# KiCad board RKD07_Assemble_BUILD.kicad_pcb (continued)
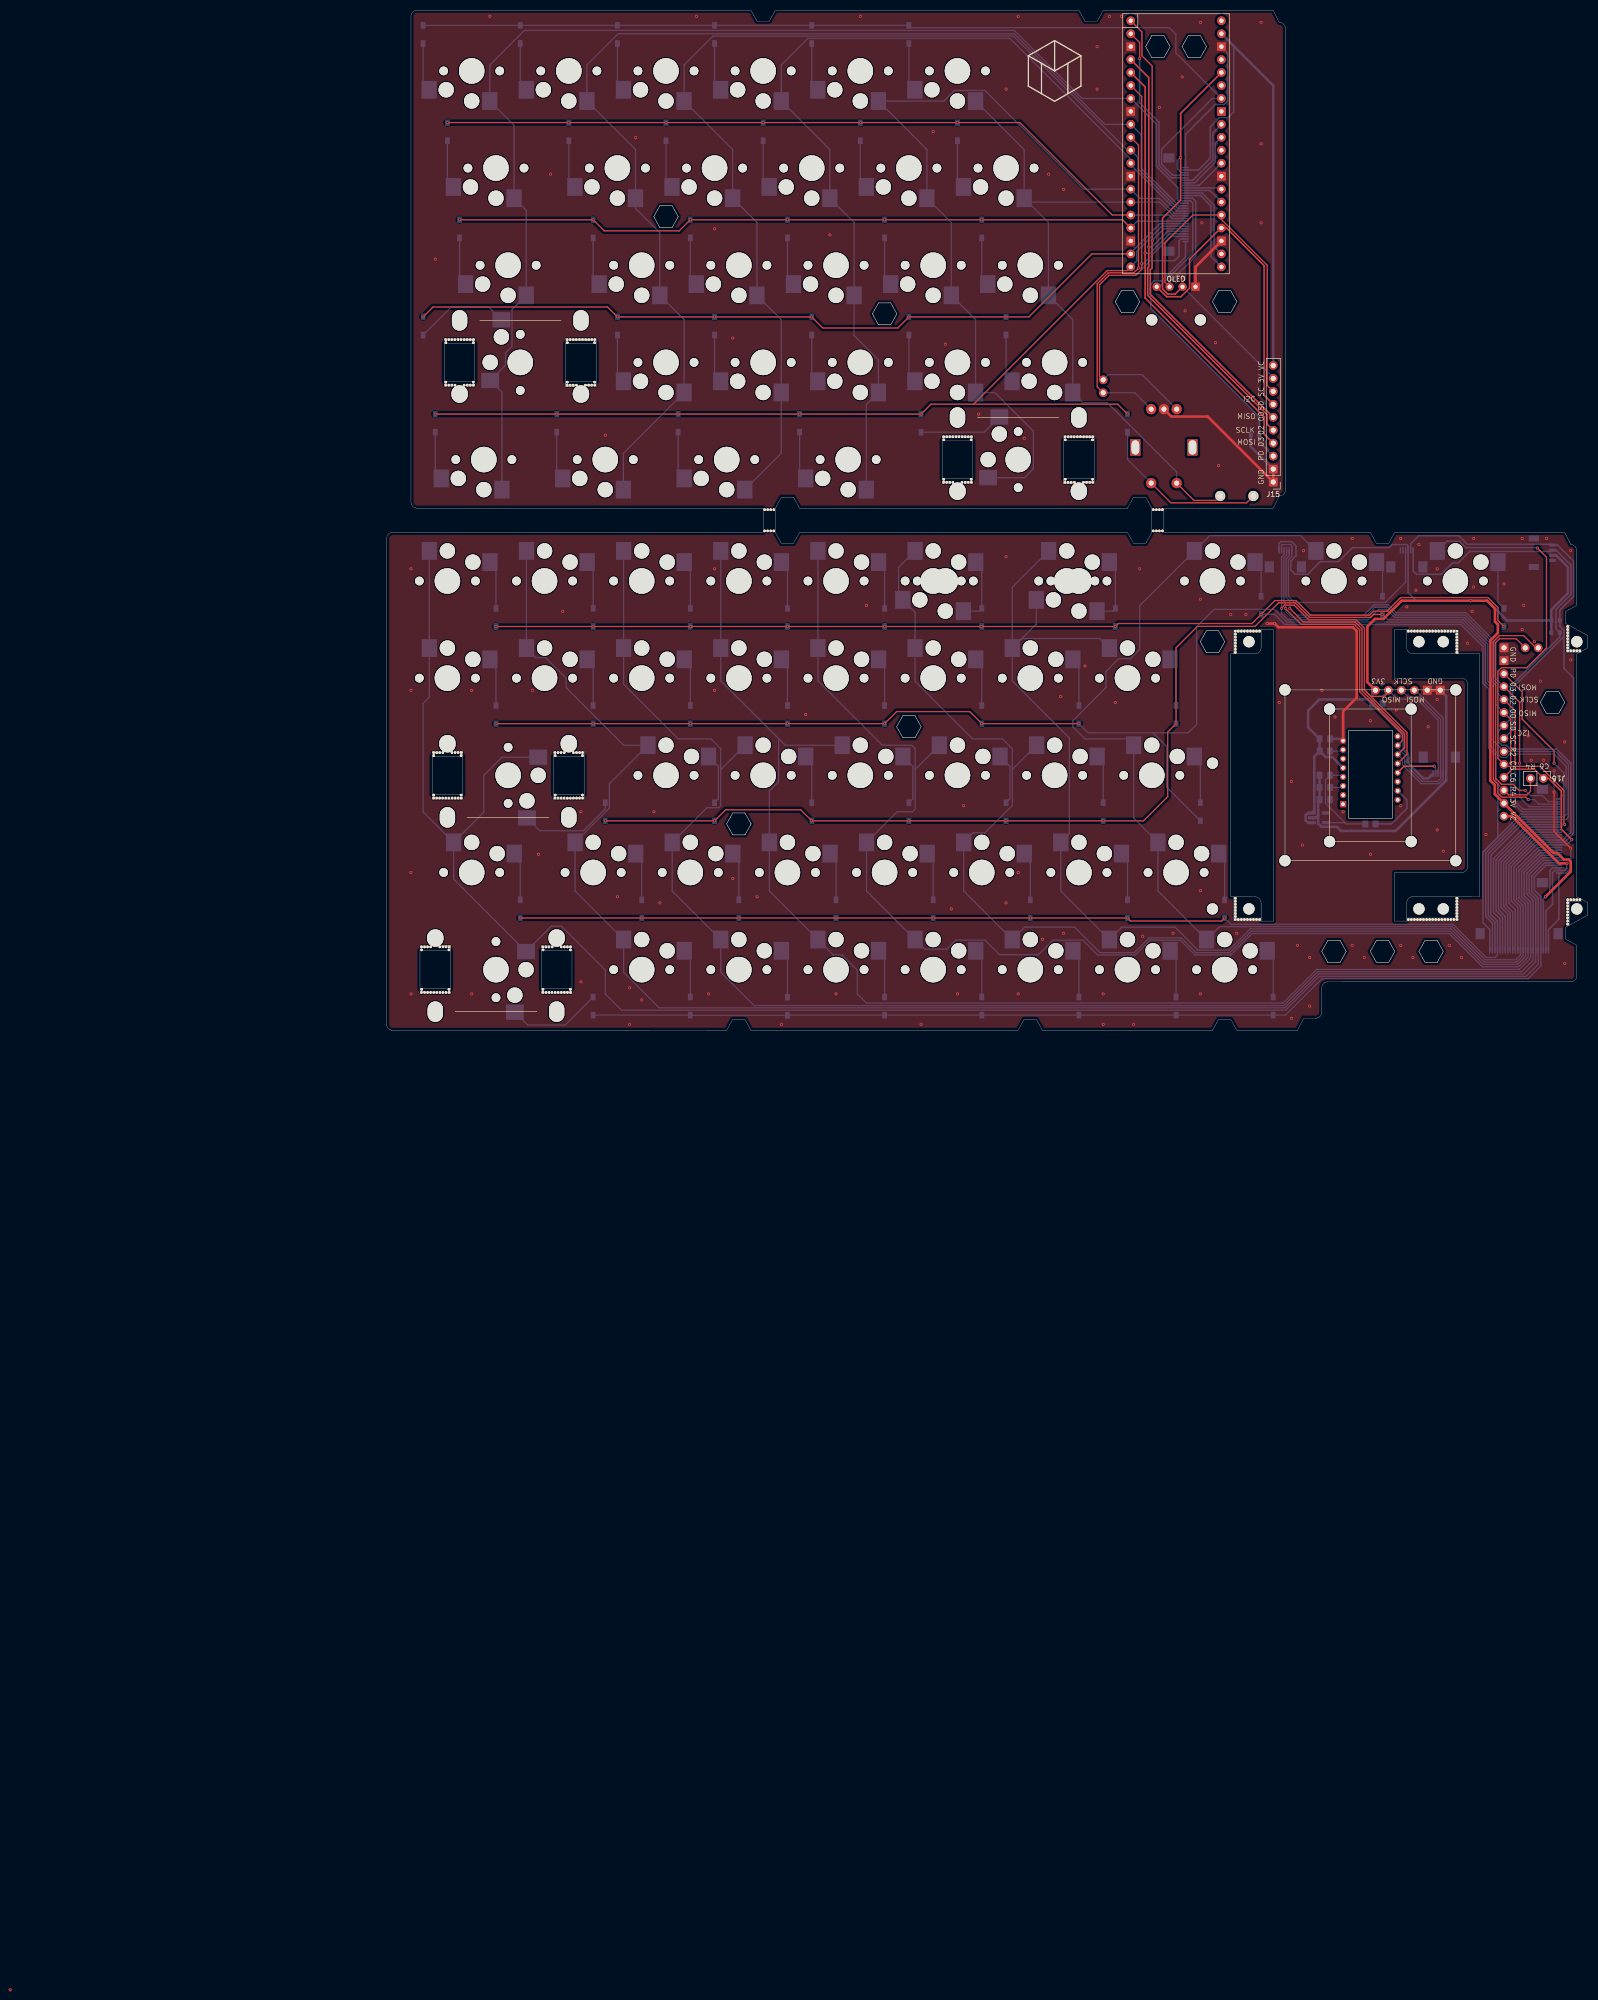
[diagram p0: board, top side]
## Footprints (pads in the part's own frame, mm; a bottom-side part is the same pattern mirrored in y, then rotated)
C_0805_2012Metric_Pad1.18x1.45mm_HandSolder
  rrect 1.175x1.45 smd: 1(-1.038,0) 2(1.038,0)
Diode_SMD
  rect 1.3x0.95 smd far side: 1(-1.775,0) 2(1.775,0)
Hirose_FH12-6S-0.5SH_1x06-1MP_P0.50mm_Horizontal
  rect 0.3x1.3 smd: 1(-1.25,1.85) 2(-0.75,1.85) 3(-0.25,1.85) 4(0.25,1.85) 5(0.75,1.85) 6(1.25,1.85)
  rect 1.8x2.2 smd: MP(-3.15,-1.4) MP(3.15,-1.4)
Hirose_FH12-24S-0.5SH_1x24-1MP_P0.50mm_Horizontal
  rect 0.3x1.3 smd: 1(-5.75,1.85) 2(-5.25,1.85) 3(-4.75,1.85) 4(-4.25,1.85) 5(-3.75,1.85) 6(-3.25,1.85) 7(-2.75,1.85) 8(-2.25,1.85) 9(-1.75,1.85) 10(-1.25,1.85) 11(-0.75,1.85) 12(-0.25,1.85) 13(0.25,1.85) 14(0.75,1.85) 15(1.25,1.85) 16(1.75,1.85) 17(2.25,1.85) 18(2.75,1.85) 19(3.25,1.85) 20(3.75,1.85) 21(4.25,1.85) 22(4.75,1.85) 23(5.25,1.85) 24(5.75,1.85)
  rect 1.8x2.2 smd: MP(-7.65,-1.4) MP(7.65,-1.4)
Hirose_FH12-30S-0.5SH_1x30-1MP_P0.50mm_Horizontal
  rect 0.3x1.3 smd: 1(-7.25,1.85) 2(-6.75,1.85) 3(-6.25,1.85) 4(-5.75,1.85) 5(-5.25,1.85) 6(-4.75,1.85) 7(-4.25,1.85) 8(-3.75,1.85) 9(-3.25,1.85) 10(-2.75,1.85) 11(-2.25,1.85) 12(-1.75,1.85) 13(-1.25,1.85) 14(-0.75,1.85) 15(-0.25,1.85) 16(0.25,1.85) 17(0.75,1.85) 18(1.25,1.85) 19(1.75,1.85) 20(2.25,1.85) 21(2.75,1.85) 22(3.25,1.85) 23(3.75,1.85) 24(4.25,1.85) 25(4.75,1.85) 26(5.25,1.85) 27(5.75,1.85) 28(6.25,1.85) 29(6.75,1.85) 30(7.25,1.85)
  rect 1.8x2.2 smd: MP(-9.15,-1.4) MP(9.15,-1.4)
JST_SMD_1.0mm-4_Black
  rect 0.6x1.35 smd: 1(-1.5,0) 2(-0.5,0) 3(0.5,0) 4(1.5,0)
  rect 1.2x2 smd: NC1(2.8,-3.675) NC2(-2.8,-3.675)
m2_Screw_Hole
  round 2.2 hole 2.2 unplated: (0,0)
OLED_center_display
  round 1.62 hole 0.82: 1(-3.81,-18.5) 2(-1.27,-18.5) 3(1.27,-18.5)
  rect 1.62x1.62 hole 0.82: 4(3.81,-18.5)
PinHeader_1x02_P2.54mm_Horizontal
  round 1.7 hole 1: 1(0,0) 2(0,-2.54)
PinHeader_1x02_P2.54mm_Vertical
  round 1.7 hole 1: 1(0,0) 2(0,-2.54)
PinHeader_1x10_P2.54mm_Vertical
  rect 1.7x1.7 hole 1: 1(0,0) 2(0,-2.54)
  round 1.7 hole 1: 3(0,-5.08) 4(0,-7.62) 5(0,-10.16) 6(0,-12.7) 7(0,-15.24) 8(0,-17.78) 9(0,-20.32) 10(0,-22.86)
PinHeader_1x14_P2.54mm_Vertical
  rect 1.7x1.7 hole 1: 1(0,0) 2(0,-2.54)
  round 1.7 hole 1: 3(0,-5.08) 4(0,-7.62) 5(0,-10.16) 6(0,-12.7) 7(0,-15.24) 8(0,-17.78) 9(0,-20.32) 10(0,-22.86) 11(0,-25.4) 12(0,-27.94) 13(0,-30.48) 14(0,-33.02)
PinSocket_1x06_P2.54mm_Vertical
  round 1.7 hole 1: 1(0,0) 2(0,-2.54) 3(0,-5.08) 4(0,-7.62)
  rect 1.7x1.7 hole 1: 5(0,-10.16) 6(0,-12.7)
PMW3360DM-T2QU
  rect 1.2x1.2 hole 0.7: 1(5.66,5.35)
  round 1.2 hole 0.7: 2(3.88,5.35) 3(2.1,5.35) 4(0.32,5.35) 5(-1.46,5.35) 6(-3.24,5.35) 7(-5.02,5.35) 8(-6.8,5.35) 9(-7.65,-5.35) 10(-5.87,-5.35) 11(-4.09,-5.35) 12(-2.31,-5.35) 13(-0.53,-5.35) 14(1.25,-5.35) 15(3.03,-5.35) 16(4.81,-5.35)
R_0603_1608Metric
  rrect 0.8x0.95 smd: 1(-0.825,0) 2(0.825,0)
R_0805_2012Metric_Pad1.20x1.40mm_HandSolder
  rrect 1.2x1.4 smd: 1(-1,0) 2(1,0)
ResetSW
  round 2 hole 1.3: 1(3.25,0) 2(-3.25,0)
rkd_Asm_ChocV1V2_Hotswap_1u_NM
  round 1.7 hole 1.7 unplated: (-5.5,0) (5.5,0)
  round 3 hole 3 unplated: (-5,-3.7) (0,-5.9)
  round 5 hole 5 unplated: (0,0)
  rect 3x3.5 smd far side: 1(-8.35,-3.7) 2(3.55,-5.9)
rkd_Asm_ChocV1V2_Hotswap_1u_twei0.25_A_NM
  round 1.7 hole 1.7 unplated: (-7.881,0) (-5.5,0) (3.119,0) (5.5,0)
  round 3 hole 3 unplated: (-5,-3.7) (-2.381,5.9) (0,-5.9) (2.619,3.7)
  round 5 hole 5 unplated: (-2.381,0) (0,0)
  rect 3x3.5 smd far side: 1(-8.35,-3.7) 1(-5.931,5.9) 2(3.55,-5.9) 2(5.969,3.7)
rkd_Asm_ChocV2_PCBMountStab_2u
  round 0.5 hole 0.5 unplated: (-14.603,4.452) (-14.602,-4.452) (-14.585,3.87) (-14.585,-3.87) (-14.007,4.452) (-14.007,-4.452) (-13.412,4.452) (-13.411,-4.452) (-12.816,-4.452) (-12.799,4.465) (-12.204,-4.465) (-11.609,-4.465) (-11.014,4.466) (-10.984,-4.453) (-10.389,4.464) (-10.389,-4.453) (-9.793,4.464) (-9.793,-4.453) (-9.227,3.87) (-9.227,-3.87) (-9.198,4.464) (-9.198,-4.453) (9.197,4.452) (9.197,-4.453) (9.227,3.87) (9.227,-3.87) (9.793,4.452) (9.793,-4.453) (10.388,4.452) (10.388,-4.453) (10.983,-4.453) (11.013,4.465) (11.609,-4.465) (12.204,-4.465) (12.799,4.465) (12.816,-4.453) (13.411,4.452) (13.411,-4.453) (14.007,4.452) (14.007,-4.453) (14.585,3.87) (14.585,-3.87) (14.602,4.452) (14.602,-4.453)
  oval 3.2x3.4 hole 3.2x3.4 unplated: (-11.9,6.2) (11.9,6.2)
  oval 3x4 hole 3x4 unplated: (-11.9,-8.24) (11.9,-8.24)
rkd_cutdot
  round 0.5 hole 0.5 unplated: (-0.893,0) (-0.298,0) (0.297,0) (0.893,0)
rkd_cutdot_no_edgecut
  round 0.5 hole 0.5 unplated: (-0.893,0) (-0.298,0) (0.297,0) (0.893,0)
rkd_cutdot_no_edgecut_1_2
  round 0.5 hole 0.5 unplated: (0,0)
rkd_Guard_Screw_Hall
  round 2.2 hole 2.2 unplated: (29.766,4.763) (29.766,-4.763)
rkd_picot5400_BTM
  round 2.2 hole 2.2 unplated: (-16.75,16.75) (-16.75,-16.75) (16.75,16.75) (16.75,-16.75)
rkd_RPi_Pico_TH_NODBG
  oval 1.7x1.7 hole 0.85: 1(-8.89,24.13) 2(-8.89,21.59) 4(-8.89,16.51) 5(-8.89,13.97) 6(-8.89,11.43) 7(-8.89,8.89) 9(-8.89,3.81) 10(-8.89,1.27) 11(-8.89,-1.27) 12(-8.89,-3.81) 14(-8.89,-8.89) 15(-8.89,-11.43) 16(-8.89,-13.97) 17(-8.89,-16.51) 19(-8.89,-21.59) 20(-8.89,-24.13) 21(8.89,-24.13) 22(8.89,-21.59) 24(8.89,-16.51) 25(8.89,-13.97) 26(8.89,-11.43) 27(8.89,-8.89) 29(8.89,-3.81) 30(8.89,-1.27) 31(8.89,1.27) 32(8.89,3.81) 34(8.89,8.89) 35(8.89,11.43) 36(8.89,13.97) 37(8.89,16.51) 39(8.89,21.59) 40(8.89,24.13)
  rect 1.7x1.7 hole 0.85: 3(-8.89,19.05) 8(-8.89,6.35) 13(-8.89,-6.35) 18(-8.89,-19.05) 23(8.89,-19.05) 28(8.89,-6.35) 33(8.89,6.35) 38(8.89,19.05)
rkd_sumi_foot
  round 2.2 hole 2.2 unplated: (-13,8) (-13,-8) (13,8) (13,-8)
RotaryEncoder_EC11-Switch
  round 2 hole 1: A(-2.5,-7.5) B(2.5,-7.5) C(0,-7.5) S1(-2.5,7) S2(2.5,7)
  rect 2x3.2 hole 1.5x2.8: MP(-5.6,0) MP(5.6,0)
SOT-23-5_HandSoldering
  rrect 1.56x0.65 smd: 1(-1.35,0.95) 2(-1.35,0) 3(-1.35,-0.95) 4(1.35,-0.95) 5(1.35,0.95)

## Nets
3v3_L: J2.28 J15.9 OL2.3 U1.36
3v3_R: C1.1 J3.3 J4.22 J6.2 J7.1 J8.6 J9.1 J11.13 J12.3 R1.2 R3.1 R4.1 R5.1 U2.1 U2.3 U3.5
+1V9: C2.1 R2.1 U2.5 U3.4
GND_L: J2.30 J15.1 J15.2 OL2.4 R7.2 SW30.C U1.3 U1.8 U1.13 U1.18 U1.23 U1.28 U1.38
GND_R: C1.2 C2.2 C3.2 C4.2 J3.1 J4.24 J6.1 J7.6 J8.1 J8.5 J9.5 J9.6 J11.1 J11.2 J12.4 U2.2 U3.8
VCC_L: J2.29 J15.10 U1.39
VCC_R: J3.2 J4.23 J11.14
COL0_L: J2.16 SW1.2 SW2.2 SW3.2 SW4.2 SW5.2 U1.7
COL0_R: J3.15 J4.10
COL1_L: J2.15 SW6.2 SW7.2 SW8.2 SW9.2 SW10.2 U1.9
COL1_R: J3.16 J4.9
COL2_L: J2.14 SW11.2 SW12.2 SW13.2 SW14.2 SW15.2 U1.11
COL2_R: J3.17 J4.8
COL3_L: J2.13 SW16.2 SW17.2 SW18.2 SW19.2 SW20.2 U1.12
COL3_R: J3.18 J4.7
COL4_L: J2.12 SW21.2 SW22.2 SW23.2 SW24.2 SW25.2 U1.14
COL4_R: J3.19 J4.6
COL5_L: J2.11 SW26.2 SW27.2 SW28.2 SW29.2 SW30.S1 SW31.1 U1.15
COL5_R: J3.20 J4.5 J11.10 SW41.2
COL6_L: J2.19 U1.21
COL6_R: J3.12 J4.13 J11.11 J16.1 SW51.2 SW52.2 SW53.2 SW54.2 SW55.2
COL7_L: J2.20 U1.22
COL7_R: J3.11 J4.14 SW56.2 SW57.2 SW58.2 SW59.2 SW60.2
COL8_L: J2.21 U1.26
COL8_R: J3.10 J4.15 SW61.2 SW62.2 SW63.2 SW64.2 SW65.2
COL9_L: J2.22 U1.27
COL9_R: J3.9 J4.16 SW66.2 SW67.2 SW68.2 SW69.2 SW70.2
COL10_L: J2.23 U1.29
COL10_R: J3.8 J4.17 SW71.2 SW72.2 SW73.2 SW74.2 SW75.2
COL11_L: J2.24 U1.31
COL11_R: J3.7 J4.18 SW76.2 SW77.2 SW78.2 SW79.2 SW80.2
COL12_L: J2.25 U1.32
COL12_R: J3.6 J4.19 SW81.2 SW82.2 SW83.2 SW84.2 SW85.2
COL13_L: J2.26 U1.2
COL13_R: J3.5 J4.20 SW86.2 SW87.2 SW88.2 SW89.2 SW90.2
GP00_L: J2.6 J15.6 U1.1
GP00_R: J3.25 J7.3 J8.4 J9.2 J11.6 R3.2 U3.12
GP02_L: J2.5 J15.5 U1.4
GP02_R: J3.26 J7.4 J8.3 J9.3 J11.5 U3.10
GP03_L: J2.4 J15.4 U1.5
GP03_R: J3.27 J7.5 J8.2 J9.4 J11.4 U3.11
NCS: J7.2 U3.13
PD_L: J2.1 J15.3 R7.1
PD_R: J3.30 J11.3
RE_A_L: J1.2 J2.3 SW30.A U1.6
RE_A_R: J3.28 J5.2
RE_B_L: J1.1 J2.2 SW30.B U1.10
RE_B_R: J3.29 J5.1
ROW0_L: D1.1 D6.1 D11.1 D16.1 D21.1 D26.1 J2.27 U1.34
ROW0_R: D51.1 D56.1 D61.1 D66.1 D71.1 D76.1 D81.1 D86.1 J3.4 J4.21
ROW1_L: D2.1 D7.1 D12.1 D17.1 D22.1 D27.1 J2.10 U1.16
ROW1_R: D52.1 D57.1 D62.1 D67.1 D72.1 D77.1 D82.1 D87.1 J3.21 J4.4
ROW2_L: D3.1 D8.1 D13.1 D18.1 D23.1 D28.1 J2.9 U1.17
ROW2_R: D53.1 D58.1 D63.1 D68.1 D73.1 D78.1 D83.1 D88.1 J3.22 J4.3 J11.9
ROW3_L: D4.1 D9.1 D14.1 D19.1 D24.1 D29.1 J2.8 U1.19
ROW3_R: D54.1 D59.1 D64.1 D69.1 D74.1 D79.1 D84.1 D89.1 J3.23 J4.2
ROW4_L: D5.1 D10.1 D15.1 D20.1 D25.1 D30.1 J2.7 U1.20
ROW4_R: D41.1 D55.1 D60.1 D65.1 D70.1 D75.1 D80.1 D85.1 D90.1 J3.24 J4.1 J11.12 J16.2
SCL/TX_L: J2.18 J15.8 OL2.2 U1.25
SCL/TX_R: J3.13 J4.12 J6.4 J11.8 J12.2 R5.2
SDA/SCK_L: J2.17 J15.7 OL2.1 U1.24
SDA/SCK_R: J3.14 J4.11 J6.3 J11.7 J12.1 R4.2
Net-(D1-A): D1.2 SW1.1
Net-(D2-A): D2.2 SW2.1
Net-(D3-A): D3.2 SW3.1
Net-(D4-A): D4.2 SW4.1
Net-(D5-A): D5.2 SW5.1
Net-(D6-A): D6.2 SW6.1
Net-(D7-A): D7.2 SW7.1
Net-(D8-A): D8.2 SW8.1
Net-(D9-A): D9.2 SW9.1
Net-(D10-A): D10.2 SW10.1
Net-(D11-A): D11.2 SW11.1
Net-(D12-A): D12.2 SW12.1
Net-(D13-A): D13.2 SW13.1
Net-(D14-A): D14.2 SW14.1
Net-(D15-A): D15.2 SW15.1
Net-(D16-A): D16.2 SW16.1
Net-(D17-A): D17.2 SW17.1
Net-(D18-A): D18.2 SW18.1
Net-(D19-A): D19.2 SW19.1
Net-(D20-A): D20.2 SW20.1
Net-(D21-A): D21.2 SW21.1
Net-(D22-A): D22.2 SW22.1
Net-(D23-A): D23.2 SW23.1
Net-(D24-A): D24.2 SW24.1
Net-(D25-A): D25.2 SW25.1
Net-(D26-A): D26.2 SW26.1
Net-(D27-A): D27.2 SW27.1
Net-(D28-A): D28.2 SW28.1
Net-(D29-A): D29.2 SW29.1
Net-(D30-A): D30.2 SW30.S2 SW31.2
Net-(D41-A): D41.2 SW41.1
Net-(D51-A): D51.2 SW51.1
Net-(D52-A): D52.2 SW52.1
Net-(D53-A): D53.2 SW53.1
Net-(D54-A): D54.2 SW54.1
Net-(D55-A): D55.2 SW55.1
Net-(D56-A): D56.2 SW56.1
Net-(D57-A): D57.2 SW57.1
Net-(D58-A): D58.2 SW58.1
Net-(D59-A): D59.2 SW59.1
Net-(D60-A): D60.2 SW60.1
Net-(D61-A): D61.2 SW61.1
Net-(D62-A): D62.2 SW62.1
Net-(D63-A): D63.2 SW63.1
Net-(D64-A): D64.2 SW64.1
Net-(D65-A): D65.2 SW65.1
Net-(D66-A): D66.2 SW66.1
Net-(D67-A): D67.2 SW67.1
Net-(D68-A): D68.2 SW68.1
Net-(D69-A): D69.2 SW69.1
Net-(D70-A): D70.2 SW70.1
Net-(D71-A): D71.2 SW71.1
Net-(D72-A): D72.2 SW72.1
Net-(D73-A): D73.2 SW73.1
Net-(D74-A): D74.2 SW74.1
Net-(D75-A): D75.2 SW75.1
Net-(D76-A): D76.2 SW76.1
Net-(D77-A): D77.2 SW77.1
Net-(D78-A): D78.2 SW78.1
Net-(D79-A): D79.2 SW79.1
Net-(D80-A): D80.2 SW80.1
Net-(D81-A): D81.2 SW81.1
Net-(D82-A): D82.2 SW82.1
Net-(D83-A): D83.2 SW83.1
Net-(D84-A): D84.2 SW84.1
Net-(D85-A): D85.2 SW85.1
Net-(D86-A): D86.2 SW86.1
Net-(D87-A): D87.2 SW87.1
Net-(D88-A): D88.2 SW88.1
Net-(D89-A): D89.2 SW89.1
Net-(D90-A): D90.2 SW90.1
Net-(U3-LED_P): R2.2 U3.15
Net-(U3-NRESET): R1.1 U3.7
Net-(U3-VDDPIX): C3.1 C4.1 U3.3

Pads without a net: J2 MP; J3 MP; J4 MP; J6 NC1 NC2; J7 MP; J8 MP; J12 5 6 MP; SW30 MP; U1 30 33 35 37 40; U2 4; U3 1 2 6 9 14 16

## Via types
v1: diameter 0.6, hole 0.3, Top to Bottom, 219 vias

## Routing (per net, layer and track width the routed paths; a pad name or vN(x,y) marks a point on that pad's centre or on a via; arc(x,y) is an arc through that point)
3v3_L: length 81.8
  Top w0.3: OL2.3 154.61,144.37 153.12,144.37 152.13,145.36 152.13,159.26 155.67,162.8 v1(155.67,171.16) 155.67,179.81 U1.36
  Bottom w0.25: OL2.3 173.83,128.04 J15.9
  Bottom w0.3: v1(155.67,171.16) 155.08,170.57 155.08,168.93 155.82,168.18 J2.28
3v3_R: length 290.3
  Top w0.5: v1(227.21,26.2) 232.17,31.17 232.17,33.06 232.17,33.06 231.73,33.5 230.83,33.5 229.52,34.81 228.81,34.81 J11.13 217.29,46.32 217.29,48.1 216.41,48.98 216.41,76.46 217.88,77.94 217.88,79.57 217.31,80.15 217.31,82.69 215.76,84.25 v1(212.53,84.25) 198.99,84.25 195.42,80.67 193.77,80.67 192.29,79.19 192.29,68.3 J9.1 ; 193.45,66.71 194.3,66.71
  Bottom w0.25: 194.48,66.71 194.3,66.71 ; J7.1 205.17,50.36
  Bottom w0.3: J4.22 226.8,25.8 v1(227.21,26.2) 228.1,27.09 228.1,31.36 228.6,31.86 J3.3 ; J8.6 174.96,95.5 175.32,95.85 177.4,95.85 178.3,94.96 178.3,93.04 177.29,92.03 177.29,90.25 178.11,89.43 180.58,89.43 183.06,91.91 186.63,91.91 189.38,94.66 196.56,94.66 197.15,95.26 200.03,95.26 200.28,95.01 J12.3 200.28,85.87 201.9,84.25 v1(212.53,84.25)
  Bottom w0.5: U2.1 180.63,40.73 180.18,41.18 180.18,42.18 180.63,42.63 U2.3 181.88,43.1 181.88,53.7 R1.2 ; R5.1 219.67,80.38 215.8,84.25 v1(212.53,84.25) ; R5.1 228.37,82.49 231.61,85.72 231.6,90.86 229.3,93.16 J6.2 ; R5.1 R4.1 ; R5.1 228.29,80.3 ; 193.46,64.01 R3.1 ; R3.1 193.38,64.01 199.43,57.95 199.43,55.03 200.18,54.28 200.18,52.5 203.26,49.42 204.23,49.42 205.05,50.24 ; R3.1 192.37,64.9 182.89,64.9 180.67,62.68 180.67,59.4 C1.1 182.91,54.82 R1.2 ; R3.1 193.26,66.1 J9.1 ; R1.2 184.14,53.59 185.42,53.59 U3.5
+1V9: length 21.8
  Bottom w0.25: U3.4 187.21,50.02 C2.1 184.08,49.1 184.08,44.53 187.88,40.73 ; 187.88,40.73 188.12,40.49 R2.1 ; 187.88,40.73 U2.5
GND_L: length 78
  Top w0.5: SW30.C 153.85,120.36 161,120.36 J15.1 J15.2 ; OL2.4 158.59,149.71 U1.23
  Bottom w0.3: U1.38 164.87,191.69 164.87,182.23 164.17,181.53 162.47,181.53 156.63,175.69 J2.30
  Bottom w0.5: R7.2 169.43,114.46 J15.2
  vias: v1(9.53,151.22) v1(20.24,198.84) v1(32.15,167.89) v1(42.86,116.69) v1(48.82,175.03) v1(60.72,198.84) v1(64.29,157.17) v1(67.87,135.74) v1(86.92,155.98) v1(92.87,198.84) v1(107.16,176.22) v1(109.54,134.55) v1(116.09,120.86) v1(121.44,184.56) v1(123.83,198.84) v1(125.02,116.1) v1(129.78,167.89) v1(132.75,164.91) v1(139.3,192.89) v1(139.3,184.56) v1(141.68,198.84) v1(144.07,198.84) v1(151.51,180.98) v1(155.97,186.94) v1(155.97,147.65) v1(156.57,141.1) v1(159.54,197.65) v1(159.84,158.36) v1(162.52,134.85) v1(163.12,110.74) v1(171.45,197.65) v1(171.45,173.84) v1(171.45,158.36)
GND_R: length 191.1
  Top w0.25: v1(232.17,35.73) 228.9,39 v1(228.9,46.74)
  Top w0.5: v1(172.64,79.78) v1(174.13,79.78) 174.87,79.04 189.46,79.04 190.21,78.29 190.21,65.25 187.53,62.57 U3.8 ; J9.6 J9.5
  Bottom w0.25: J3.1 231.2,30.86 232.17,31.83 v1(232.17,35.73) ; 175.44,94.11 J8.5 175.46,95.1 175.62,95.26 177.29,95.26 177.46,95.08 J8.1 177.46,92.88 176.82,92.23 176.82,85.13 178.04,83.91 195.82,83.91 199.78,87.86 J12.4 ; v1(228.9,50.91) v1(228.9,46.74)
  Bottom w0.3: J4.24 227.8,19.77 229.85,21.83 J3.1
  Bottom w0.5: U3.8 187.19,57.16 C1.2 185.33,56.82 ; 182.64,42.13 182.64,40.55 183.28,39.91 186.31,39.91 187.11,39.11 197.83,39.11 207.75,49.03 ; 182.64,42.13 182.64,44.98 C4.2 C3.2 C2.2 ; 182.64,42.13 182.19,41.68 U2.2 ; 207.75,49.03 207.75,65.53 J9.6 ; 207.75,49.03 206.51,47.8
  vias: v1(4.76,90.5) v1(4.76,66.68) v1(4.76,30.97) v1(4.76,7.15) v1(16.67,66.68) v1(16.67,7.15) v1(28.58,66.68) v1(29.77,34.54) v1(34.53,82.16) v1(38.1,42.87) v1(38.1,9.53) v1(45.24,26.2) v1(47.63,8.34) v1(47.63,1.2) v1(50.01,5.96) v1(52.39,42.87) v1(53.58,25.01) v1(63.1,7.15) v1(64.29,90.5) v1(64.29,66.68) v1(67.87,29.77) v1(72.63,26.2) v1(77.39,1.2) v1(82.15,61.92) v1(88.11,7.15) v1(94.06,83.35) v1(104.78,1.2) v1(110.73,23.82) v1(111.92,7.15) v1(113.11,44.06) v1(121.44,92.88) v1(121.44,25.01) v1(123.83,30.97) v1(123.83,7.15) v1(128.59,17.87) v1(132.16,65.49) v1(132.75,19.06) v1(136.92,71.45) v1(140.49,7.15) v1(140.49,1.2) v1(142.88,64.3) v1(146.45,1.2) v1(147.64,90.5) v1(148.23,18.46) v1(154.19,19.06) v1(159.54,84.54) v1(159.54,27.39) v1(159.54,7.15) v1(165.5,81.57) v1(166.69,19.06) v1(168.47,81.57) v1(175.02,64.3) v1(177.4,48.82) v1(177.4,2.39) v1(178.59,16.68) v1(179.55,36.32) v1(179.78,94.07) v1(180.98,14.3) v1(180.98,4.77) v1(183.36,66.68) v1(185.95,61.47) v1(187.52,42.87) v1(189.31,96.45) v1(189.31,16.68) v1(191.69,14.3) v1(192.88,60.73) v1(192.88,34.54) v1(197.94,62.81) v1(198.83,96.45) v1(198.83,44.06) v1(198.83,16.68) v1(200.02,83.06) v1(201.22,14.3) v1(201.81,86.33) v1(202.41,95.26) v1(204.19,59.54) v1(205.98,90.5) v1(205.98,64.9) v1(205.98,39.3) v1(207.17,35.13) v1(208.36,16.68) v1(210.74,14.3) v1(211.93,75.91) v1(212.82,82.16) v1(213.12,96.45) v1(213.12,86.92) v1(215.55,38.41) v1(219.08,87.52) v1(222.65,96.45) v1(222.65,78.59) v1(222.94,83.35) v1(223.84,57.75) v1(224.43,52.99) v1(225.03,76.21) v1(226.22,68.47) v1(226.81,52.99) v1(227.41,96.45) v1(230.98,56.56) v1(230.98,13.11) v1(232.17,94.07) v1(232.17,72.64)
VCC_L: length 103.4
  Bottom w0.3: J2.29 159.15,168.68 161.47,171 161.47,177.15 163.31,178.99 164.98,178.99 166.09,180.09 166.09,193.02 U1.39
  Bottom w0.5: J15.10 173.83,185.27 U1.39
VCC_R: length 36.1
  Top w0.5: v1(231.42,32.75) 230.09,32.75 229.87,32.75 220.62,42 J11.14
  Bottom w0.3: v1(231.42,32.75) 231.42,31.75 231.03,31.36 J3.2 228.99,31.36 228.6,30.97 228.6,24.72 227.3,23.42 J4.23
(no net):
  vias: v1(-73.82,-188.11)
COL0_L: length 249.6
  Bottom w0.25: U1.7 136.37,182.73 123.03,196.07 26.99,196.07 20.22,189.29 SW1.2 24.98,177.47 SW2.2 27.36,160.8 SW3.2 24.57,141.34 24.57,134.12 23.32,132.86 23.32,130.45 SW4.2 22.6,125.12 SW5.2
  Bottom w0.3: U1.7 150.93,177.69 150.93,169.42 155.08,165.27 155.08,162.83 155.72,162.18 J2.16
COL0_R: length 30
  Bottom w0.3: J3.15 224.74,37.86 219.52,32.64 219.52,24.51 220.8,23.23 J4.10
COL1_L: length 234.3
  Bottom w0.25: SW10.2 46.41,113.17 SW9.2 58.32,139.37 SW8.2 53.56,156.42 48.79,161.18 SW7.2 48.79,172.7 SW6.2 39.27,189.3 45.39,195.42 123.04,195.42 140.81,177.65 U1.9 146.28,178.04
  Bottom w0.3: J2.15 155.33,161.68 147.94,169.08 147.94,175.61 U1.9
COL1_R: length 30.8
  Bottom w0.3: J4.9 220.3,23.02 219.02,24.3 219.02,32.85 224.53,38.36 J3.16
COL2_L: length 210.7
  Bottom w0.25: 145.89,173.21 U1.11 145.25,172.57 122.86,194.97 63.99,194.97 58.32,189.3 SW11.2 67.84,172.7 SW12.2 72.61,158.42 SW13.2 77.37,139.37 SW14.2 77.37,113.17 SW15.2
  Bottom w0.3: J2.14 155.12,161.18 147.34,168.96 147.34,171.12 U1.11
COL2_R: length 31.6
  Bottom w0.3: J3.17 224.32,38.86 218.51,33.06 218.51,24.08 219.8,22.8 J4.8
COL3_L: length 188.9
  Bottom w0.25: 145.89,170.67 U1.12 145.89,170.82 122.2,194.51 82.58,194.51 77.37,189.3 SW16.2 86.89,172.7 SW17.2 91.66,158.42 SW18.2 91.66,136.26 96.42,131.5 SW19.2 94.04,122.7 SW20.2
  Bottom w0.3: U1.12 145.89,169.7 154.91,160.68 J2.13
COL3_R: length 32.4
  Bottom w0.3: J3.18 224.11,39.36 218.01,33.26 218.01,23.7 219.3,22.4 J4.7
COL4_L: length 168.4
  Bottom w0.25: U1.14 136.65,164.95 117.29,184.3 111.34,184.3 109.27,182.23 SW21.2 105.94,172.7 SW22.2 110.71,158.42 SW23.2 115.47,139.37 SW24.2 119.23,125.08 126.8,117.5 126.8,110.14 125.04,108.38 SW25.2 118.54,107.76
  Bottom w0.3: J2.12 154.45,160.18 151.51,163.13 147.72,163.13 U1.14
COL4_R: length 33.3
  Bottom w0.3: J4.6 218.8,22.2 217.51,23.49 217.51,33.47 223.9,39.86 J3.19
COL5_L: length 137.6
  Top w0.25: SW31.1 162.56,103.91 158.3,103.91 SW30.S1
  Bottom w0.25: SW27.2 129.76,158.42 SW28.2 134.52,139.37 SW29.2 136.52,123.08 141.28,123.08 154.9,109.46 SW30.S1 155.04,107.17 ; SW27.2 124.99,172.7 SW26.2 ; SW27.2 125.76,162.41 U1.15 151.55,162.41 154.25,159.71 156.61,159.71 J2.11
COL5_R: length 128
  Top w0.25: v1(225.62,94.57) 227.41,92.78 227.41,74.98 223.54,71.11 218.59,71.11 217.88,70.41 217.88,53.35 J11.10 ; v1(230.98,40.36) 230.83,40.51 230.83,47.07 226.13,51.77 219.46,51.77 J11.10 ; J11.10 219.08,51.5
  Bottom w0.25: v1(230.98,40.36) J3.20
  Bottom w0.3: J3.20 223.68,40.36 217.01,33.69 217.01,23.15 218.3,21.86 J4.5 ; SW41.2 207.9,95.92 210.34,95.92 211.59,94.66 225.53,94.66 v1(225.62,94.57)
COL6_L: length 18.6
  Bottom w0.3: J2.19 159.58,163.68 161.63,161.64 161.63,151.75 U1.21
COL6_R: length 250.5
  Top w0.25: J16.1 225.03,51.21 220.66,51.21 J11.11
  Top w0.3: J16.1 227.8,49.42 230.33,46.89 230.33,40.63 230.33,39.44 v1(232.38,37.4)
  Bottom w0.25: SW53.2 179.19,97.01 161.37,97.01 SW55.2 147.64,83.28 147.64,74.69 145.83,72.89 143.53,72.89 141.03,70.39 141.03,67.22 134.54,60.73 134.54,59.54 136.92,57.16 145.23,57.16 SW54.2 146.47,41.63 SW52.2 151.23,27.34 SW51.2 160.78,17.82 163.31,20.35 208.9,20.35 215.4,13.85 221.38,13.85 222.3,14.77 J4.13
  Bottom w0.3: v1(232.38,37.4) 231.34,36.36 J3.12 225.36,36.36 221.02,32.02 221.02,25.59 222.3,24.31 J4.13
COL7_L: length 16.7
  Bottom w0.3: J2.20 159.86,164.18 162.22,161.82 162.22,153.7 U1.22
COL7_R: length 237
  Bottom w0.25: SW59.2 122.66,86.87 SW60.2 ; SW59.2 122.66,68.55 133.84,57.36 133.84,38.53 SW57.2 132.18,27.34 SW56.2 144.14,20.25 154.58,20.25 158.93,15.9 158.93,15.74 165.15,15.74 169.31,19.9 208.71,19.9 215.21,13.4 221.56,13.4 222.8,14.63 J4.14 ; SW59.2 127.38,79.69 SW60.2 ; SW59.2 124.53,76.84 139.83,76.84 SW58.2
  Bottom w0.3: J3.11 225.75,35.86 221.52,31.63 221.52,25.8 222.8,24.52 J4.14
COL8_L: length 8
  Bottom w0.3: J2.21 161.4,164.68 U1.26
COL8_R: length 244.4
  Bottom w0.25: J4.15 223.3,14.49 221.75,12.94 215.03,12.94 208.53,19.45 169.51,19.45 165.31,15.24 158.69,15.24 155.79,18.14 149.49,18.14 146.59,15.24 139.9,15.24 134.89,20.25 125.09,20.25 SW61.2 113.13,27.34 SW62.2 115.01,38.74 117.31,38.74 122.67,44.1 122.67,51.17 ; 122.67,51.17 122.67,55.21 120.73,57.16 114.9,57.16 103.61,68.45 SW64.2 103.61,82 SW65.2 100.87,84.42 100.38,84.9 100.38,90.79 SW65.2 ; 122.67,51.17 SW63.2
  Bottom w0.3: J4.15 223.3,24.73 222.02,26.01 222.02,31.39 225.99,35.36 J3.10
COL9_L: length 7.1
  Bottom w0.3: U1.27 163.44,165.18 J2.22
COL9_R: length 262.9
  Bottom w0.25: 103.62,51.17 103.62,43.4 103.09,42.87 100.09,42.87 SW67.2 94.08,27.34 SW66.2 105.48,15.94 109.83,15.94 111.58,17.69 117.33,17.69 120.19,14.84 127.78,14.84 130.63,17.69 136.5,17.69 139.4,14.79 146.78,14.79 149.68,17.69 155.6,17.69 158.5,14.79 165.5,14.79 169.7,19 208.34,19 214.84,12.49 221.94,12.49 223.8,14.36 J4.16 ; 103.62,51.17 103.62,55.21 102.92,55.92 97.19,55.92 84.56,68.55 SW69.2 SW70.2 ; 103.62,51.17 SW68.2
  Bottom w0.3: J4.16 223.8,24.94 222.52,26.21 222.52,31.18 226.2,34.86 J3.9
COL10_L: length 8.8
  Bottom w0.3: J2.23 159.33,165.68 U1.29
COL10_R: length 275.5
  Bottom w0.25: 76.85,57.21 78.14,55.92 SW73.2 89.24,55.92 ; 76.85,57.21 65.51,68.55 SW74.2 SW75.2 ; 76.85,57.21 76.85,48.78 75.03,46.96 SW72.2 75.03,27.34 SW71.2 87.58,14.79 89.3,14.79 92.27,11.82 92.27,7.15 94.06,5.37 175.75,5.37 182.35,11.96 222.1,11.96 224.3,14.17 J4.17
  Bottom w0.3: J4.17 224.3,25.14 223.02,26.42 223.02,30.97 226.41,34.36 J3.8
COL11_L: length 12.9
  Bottom w0.3: J2.24 158.44,166.18 162.47,170.22 162.47,173.91 U1.31
COL11_R: length 301.1
  Bottom w0.25: 65.48,51.13 65.48,44.06 65.09,43.67 62.79,43.67 SW77.2 55.98,27.34 SW76.2 65.51,11.4 72.03,4.87 175.9,4.87 182.54,11.51 222.54,11.51 224.8,13.77 J4.18 ; 65.48,51.13 SW78.2 ; 65.48,51.13 65.48,55.25 63.58,57.16 57.16,57.16 46.46,67.86 SW79.2 SW80.2
  Bottom w0.3: J4.18 224.8,25.49 223.52,26.76 223.52,30.77 226.62,33.86 J3.7
COL12_L: length 14.7
  Bottom w0.3: J2.25 158.04,166.68 161.97,170.61 161.97,175.95 U1.32
COL12_R: length 318
  Bottom w0.25: 26.19,92.88 27.33,94.02 SW85.2 SW84.2 29.28,73.09 31.16,73.09 35.18,69.07 35.18,67.22 46.49,55.92 SW83.2 43.66,48.36 43.66,43.6 SW82.2 36.93,27.34 SW81.2 46.46,11.4 53.43,4.42 176.08,4.42 182.72,11.06 222.92,11.06 225.3,13.44 J4.19
  Bottom w0.3: J3.6 226.83,33.36 224.03,30.56 224.03,26.97 225.3,25.7 J4.19
COL13_L: length 34.3
  Top w0.25: v1(147.64,190.51) 147.64,193.68 U1.2
  Bottom w0.3: J2.26 153.87,167.18 151.43,169.63 151.43,178.09 147.64,181.88 v1(147.64,190.51)
COL13_R: length 353.2
  Bottom w0.25: SW87.2 7.14,42.84 7.14,64.1 8.36,65.31 SW89.2 SW90.2 ; SW87.2 19.05,42.8 19.05,50.02 22.6,53.57 SW88.2 ; SW87.2 13.12,29.68 SW86.2 32.31,20.44 34.25,20.44 42.86,11.83 42.86,7.15 46.04,3.97 176.27,3.97 182.91,10.61 223.43,10.61 225.8,12.99 J4.20
  Bottom w0.3: J4.20 225.8,25.9 224.53,27.18 224.53,30.29 227.09,32.86 J3.5
GP00_L: length 97.4
  Top w0.25: U1.1 148.09,195.77 148.09,191.09 150.09,189.08 v1(150.09,154.83)
  Top w0.3: J15.6 149.72,144.33 149.72,149.14 150.07,149.49 150.07,154.8 v1(150.09,154.83)
  Bottom w0.25: 146.13,197.97 U1.1
  Bottom w0.3: J2.6 152.41,157.18 150.09,154.87 v1(150.09,154.83)
GP00_R: length 181.7
  Top w0.25: 191.71,66.77 200.06,58.42 200.06,54.15 U3.12 ; 191.71,66.77 192.99,65.49 195.62,65.49 196.84,66.71 ; 191.71,66.77 191.71,78.89 190.07,80.52 180.79,80.52 177.93,83.38 176,83.38 175.46,82.84 v1(175.46,82.76) 175.46,82.67 ; v1(220.4,52.42) 220.4,60.99 J11.6
  Bottom w0.25: v1(220.4,52.42) 220.4,45.12 222.66,42.86 J3.25 ; R3.2 195.26,65.56 J9.2 198.18,64.94 202.06,64.94 206.15,60.86 J7.3 ; J11.6 217.45,63.95 217.45,67.67 216.34,68.78 216.34,75.88 211.25,80.97 197.64,80.97 196.06,82.55 194.46,82.55 192.43,80.52 176.66,80.52 175.46,81.72 v1(175.46,82.76) 175.46,92.82 175.96,93.32 J8.4
GP02_L: length 93.8
  Top w0.3: U1.4 149.42,186.82 v1(149.42,153.6) 149.42,149.73 149.22,149.53 149.22,144.13 172.63,120.72 172.63,118.88 J15.5
  Bottom w0.25: 146.53,190.35 U1.4 145.73,190.51
  Bottom w0.3: v1(149.42,153.6) 150.02,153.6 153.1,156.68 J2.5
GP02_R: length 176.8
  Top w0.25: v1(221.26,52.4) 221.26,62.67 J11.5 ; 176.26,82.84 v1(176.26,82.76) 176.26,82.67 179.31,79.62 189.7,79.62 190.79,78.53 190.79,66.42 199.16,58.05 199.16,56.81 U3.10
  Bottom w0.25: J3.26 222.8,43.36 221.26,44.9 v1(221.26,52.4) ; J9.3 200.27,65.39 202.25,65.39 206.65,60.99 J7.4 206.65,49.39 206.09,48.82 203.04,48.82 199.61,52.26 199.61,54.04 198.23,55.42 U3.10 ; J8.3 176.46,93.18 175.91,92.63 175.91,84.2 176.21,83.91 176.21,82.81 v1(176.26,82.76) 176.26,82.16 177.45,80.97 191.76,80.97 193.79,83.01 196.25,83.01 197.83,81.42 211.44,81.42 216.79,76.07 216.79,68.97 217.9,67.86 217.9,66.03 J11.5
GP03_L: length 93.7
  Top w0.3: J15.4 172.05,116.93 172.05,120.26 148.72,143.59 v1(148.72,152.41) 148.72,184.98 U1.5
  Bottom w0.3: J2.4 153.5,156.18 149.72,152.41 v1(148.72,152.41)
GP03_R: length 174.8
  Top w0.25: v1(222.14,52.4) 222.14,64.33 J11.4 ; U3.11 199.61,55.48 199.61,58.24 191.24,66.6 191.24,78.72 189.89,80.07 179.75,80.07 v1(177.06,82.75)
  Bottom w0.25: J9.4 201.68,66.71 207.15,61.24 J7.5 207.15,49.25 206.28,48.37 202.86,48.37 199.16,52.07 199.16,53.18 U3.11 ; v1(222.14,52.4) 222.14,45.76 224.04,43.86 J3.27 ; 176.94,93.6 176.96,93.63 J8.2 176.96,93.04 176.36,92.44 176.36,84.94 177.06,84.25 v1(177.06,82.75) 178.39,81.42 191.57,81.42 193.61,83.46 196.44,83.46 198.02,81.88 211.62,81.88 217.25,76.25 217.25,69.22 J11.4
NCS: length 9.3
  Top w0.3: U3.13 199.49,51.8 v1(205.38,51.8)
  Bottom w0.25: 205.67,50.36 J7.2 205.65,51.53 v1(205.38,51.8)
PD_L: length 55.7
  Bottom w0.3: J15.3 171.08,115.35 R7.1 171.08,120.37 149.81,141.64 149.81,146.3 150.49,146.98 151.97,146.98 156.63,151.64 J2.1
PD_R: length 29.9
  Top w0.25: v1(228.9,52.4) 228.9,54.77 222.65,61.02 222.65,66.37 J11.3
  Bottom w0.25: J3.30 230.79,46.3 230.79,50.5 v1(228.9,52.4) ; J11.3 219.1,69.91
RE_A_L: length 93.9
  Top w0.25: J1.2 139.77,128.29 139.77,146.19 141.63,148.05 146.88,148.05 148.04,149.22 v1(148.04,150.33) 148.04,183.12 U1.6
  Bottom w0.25: SW30.A 148.11,128.6 141.53,128.6 J1.2
  Bottom w0.3: J2.3 153.72,155.68 148.36,150.33 v1(148.04,150.33)
RE_A_R: length 53.2
  Top w0.25: J5.2 225.33,75.02 222.95,77.4 218.16,77.4 216.98,76.22 216.98,49.22 217.88,48.32 217.88,46.54 218.71,45.71 223.38,45.71 v1(223.84,45.25)
  Bottom w0.25: J3.28 225.92,44.36 225.03,45.25 v1(223.84,45.25)
RE_B_L: length 82.1
  Top w0.25: U1.10 147.42,173.58 v1(147.42,149.48) 146.48,148.53 141.47,148.53 139.32,146.38 139.32,126.2 J1.1 140.49,125.62
  Bottom w0.25: J1.1 146.68,125.02 SW30.B
  Bottom w0.3: v1(147.42,149.48) 148.28,149.48 149.72,150.92 154.48,150.92 155.38,151.81 155.38,154.79 155.77,155.18 J2.2
RE_B_R: length 47.8
  Top w0.25: J5.1 221.46,76.8 218.21,76.8 217.43,76.03 217.43,49.41 218.59,48.25 220.84,48.25 222.03,47.06 v1(223.24,47.06)
  Bottom w0.25: v1(223.24,47.06) 224.27,46.03 226.63,46.03 227.8,44.86 J3.29
ROW0_L: length 189
  Bottom w0.25: U1.34 154.74,191.66 154.74,195.31 153.45,196.61 102.83,196.61 D26.1 D21.1 D16.1 D11.1 D6.1 D1.1
  Bottom w0.3: U1.34 161.89,182.73 151.93,172.78 151.93,169.83 154.08,167.68 J2.27
ROW0_R: length 213.6
  Bottom w0.25: J4.21 226.3,12.64 223.82,10.16 183.39,10.16 176.22,3 D51.1 D56.1 D61.1 D66.1 D71.1 78.63,3 D76.1 59.58,2.95 D81.1 D86.1
  Bottom w0.3: J4.21 226.3,26.23 225.03,27.51 225.03,30.08 227.3,32.36 J3.4
ROW1_L: length 152.5
  Top w0.25: U1.16 142.27,159.87 124.14,178 v1(111.92,178) v1(92.87,178) v1(73.82,178) v1(54.77,178) v1(35.72,178) v1(11.91,178)
  Bottom w0.3: U1.16 153.42,159.87 154.1,159.18 J2.10
ROW1_R: length 231.7
  Top w0.25: v1(164.31,22.05) 163.7,21.44 145.86,21.44 v1(145.26,22.05) v1(126.21,22.05) v1(107.16,22.05) v1(88.11,22.05) v1(69.06,22.05) v1(50.01,22.05) 26.2,22.05 26.19,22.04
  Bottom w0.25: J4.4 217.8,14.77 217.33,14.3 215.59,14.3 209.09,20.8 165.55,20.8 v1(164.31,22.05)
  Bottom w0.3: J4.4 217.8,21.44 216.5,22.74 216.5,34.34 223.02,40.86 J3.21
  vias: v1(26.19,22.05)
ROW2_L: length 145.6
  Top w0.25: U1.17 144.27,158.95 v1(116.68,158.95) v1(97.63,158.95) v1(78.58,158.95) v1(59.53,158.95) 57.36,156.78 42.65,156.78 v1(40.48,158.95) v1(14.29,158.95)
  Bottom w0.25: U1.17 146.04,157.18
  Bottom w0.3: U1.17 147.25,158.68 J2.9
ROW2_R: length 297
  Top w0.25: v1(42.86,41.1) v1(64.29,41.1) 66.46,43.27 81.17,43.27 v1(83.34,41.1) v1(102.39,41.1) v1(121.44,41.1) v1(140.49,41.1) 148.4,41.1 153.14,45.84 153.14,58.51 v1(154.78,60.15) 154.78,75.02 158.98,79.22 170.26,79.22 174.88,83.83 178.11,83.83 180.97,80.97 192.92,80.97 193.52,81.57 195.25,81.57 v1(195.26,81.58)
  Bottom w0.25: J3.22 231.25,41.36 231.7,41.8 231.7,52.2 229.2,54.7 J11.9 217,56.78 217,67.36 215.89,68.47 215.89,75.69 211.06,80.52 196.32,80.52 v1(195.26,81.58)
  Bottom w0.3: J4.3 217.3,21.23 216,22.53 216,34.59 222.77,41.36 J3.22
ROW3_L: length 160.6
  Top w0.25: U1.19 138.27,152.25 125.92,139.9 v1(121.44,139.9) v1(102.39,139.9) 100.22,137.73 85.51,137.73 v1(83.34,139.9) v1(64.29,139.9) v1(45.24,139.9) 43.3,141.84 9.09,141.84 v1(7.14,139.9)
  Bottom w0.3: U1.19 145.89,152.45 151.63,158.18 J2.8
ROW3_R: length 327.2
  Top w0.25: v1(21.43,60.15) v1(40.48,60.15) v1(59.53,60.15) v1(78.58,60.15) v1(97.63,60.15) 100,62.52 114.31,62.52 v1(116.68,60.15) v1(135.73,60.15)
  Bottom w0.25: J3.23 230.81,41.86 231.24,42.3 231.24,51.84 228.9,54.18 220.22,54.18 219.56,53.52 218.59,53.52 216.55,55.56 216.55,67.18 215.44,68.28 215.44,75.51 210.88,80.07 176.47,80.07 173.99,82.55 162.23,82.55 158.81,79.13 158.81,60 157.16,58.35 150.24,58.35 ; v1(135.73,60.15) 137.53,58.35 150.24,58.35 ; 150.24,58.35 152.89,55.69 152.89,47.75 D54.1
  Bottom w0.3: J4.2 216.8,21.02 215.5,22.33 215.5,34.79 222.57,41.86 J3.23
ROW4_L: length 195.1
  Top w0.25: 115.1,122.79 106.72,122.79 v1(104.78,120.85) v1(80.96,120.85) v1(57.15,120.85) v1(33.34,120.85) v1(9.53,120.85) ; 115.1,122.79 141.29,148.99 145.17,148.99 U1.20 ; 115.1,122.79 143.31,122.79 v1(145.26,120.85)
  Bottom w0.3: 145.89,150.37 U1.20 147.09,150.91 147.09,152.76 152.02,157.68 J2.7
ROW4_R: length 342.7
  Top w0.25: v1(219.08,79.2) 217.88,80.39 217.88,82.93 215.94,84.87 198.8,84.87 196.12,82.19 196.11,82.2 193.52,82.2 192.74,81.42 181.16,81.42 178.3,84.29 174.16,84.29 v1(171.45,81.58) 169.65,79.78 143.46,79.78 v1(142.88,79.2) v1(116.68,79.2) v1(97.63,79.2) v1(78.58,79.2) v1(59.53,79.2) v1(40.48,79.2) v1(21.43,79.2) ; J16.2 224.27,46.88 223.58,46.19 219.96,46.19 J11.12
  Top w0.3: J11.12 219.08,47.63
  Bottom w0.3: 214.96,34.97 214.96,21.11 216.3,19.77 J4.1 ; 214.96,34.97 217.87,37.88 217.87,45.88 J11.12 217.42,48.73 217.42,54.01 216.07,55.37 216.07,66.98 214.96,68.09 214.96,75.26 210.63,79.6 176.1,79.6 174.12,81.58 v1(171.45,81.58) ; 214.96,34.97 222.36,42.36 J3.24
SCL/TX_L: length 82.7
  Top w0.25: OL2.2 152.61,146.72 152.61,154.4 158.08,159.87 U1.25 163.67,159 172.64,150.03 172.64,126.49 J15.8
  Bottom w0.25: OL2.2 153.51,146.29
  Bottom w0.3: J2.18 158,163.18 158.65,162.53 158.65,151.81 153.51,146.67 OL2.2
SCL/TX_R: length 148.3
  Bottom w0.25: 230.02,80.08 230.02,80.08
  Bottom w0.3: 230.85,77.27 230.85,78.42 230.02,79.25 R5.2 230.02,82.39 232.71,85.08 232.7,92.04 229.58,95.16 J6.4 228.45,95.32 211.88,95.32 210.2,96.99 202.35,96.99 200.78,95.41 J12.2 ; 230.85,77.27 230.85,70.98 232.71,69.12 232.71,38.65 230.92,36.86 J3.13 225.15,36.86 220.52,32.23 220.52,25.38 221.8,24.1 J4.12 ; 230.85,77.27 220.78,67.2 220.78,58.94 J11.8
SDA/SCK_L: length 83.5
  Top w0.3: OL2.1 152.93,143.86 155.73,143.86 157.43,145.55 157.43,151.19 163.57,157.33 U1.24 ; U1.24 164.66,157.33 172.05,149.95 172.05,124.55 J15.7 ; U1.24 163.67,157.81
  Bottom w0.3: OL2.1 151.51,145.82 158.06,152.36 158.06,162.23 157.6,162.68 J2.17
SDA/SCK_R: length 141.2
  Bottom w0.3: J4.11 221.3,23.68 220.02,24.96 220.02,32.43 224.94,37.36 J3.14 230.71,37.36 232.17,38.82 232.17,52.4 232.17,52.4 229.39,55.17 220.28,55.17 220.28,55.2 219.57,55.9 218.72,55.9 217.87,56.74 217.87,58.58 J11.7 220.28,60.98 220.28,67.4 230.02,77.15 R4.2 229.27,78.75 229.27,82.53 232.21,85.47 232.2,91.24 229.28,94.16 J6.3 228.35,93.92 212.37,93.92 210.14,91.69 209.02,91.69 206.76,89.43 201.92,89.43 201.28,90.08 J12.1
